# Allegro board visualscope2.0.brd
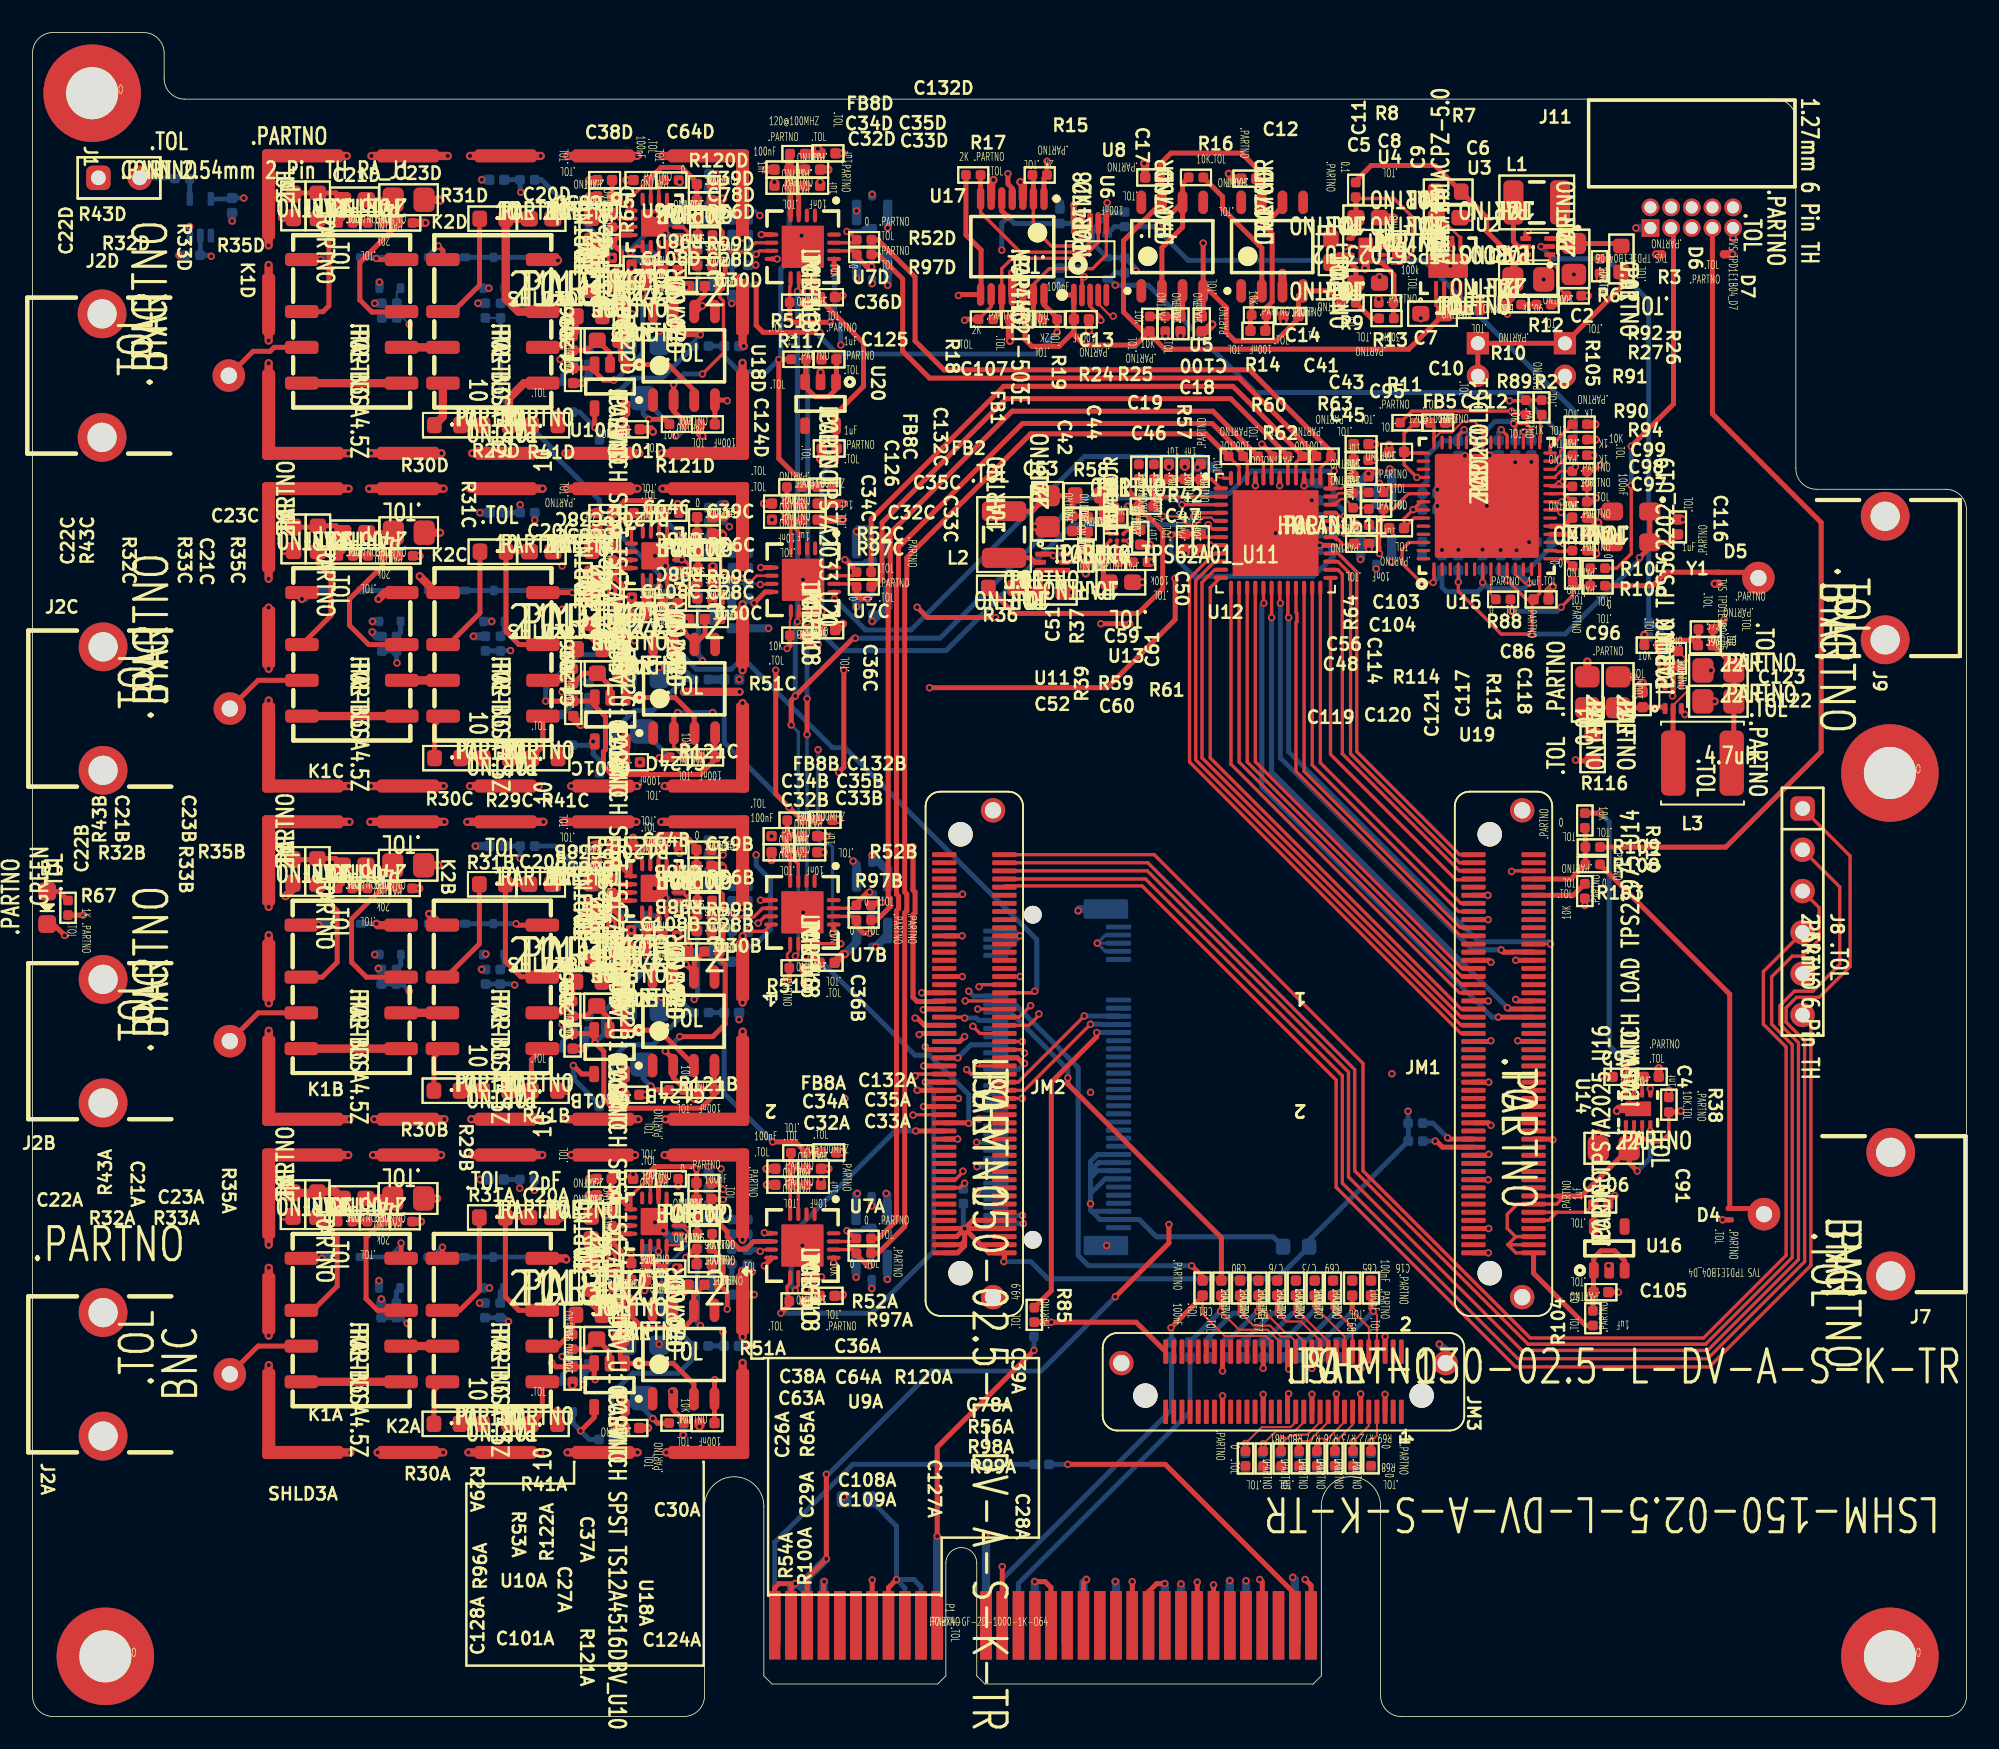
[diagram p0: board, top side]
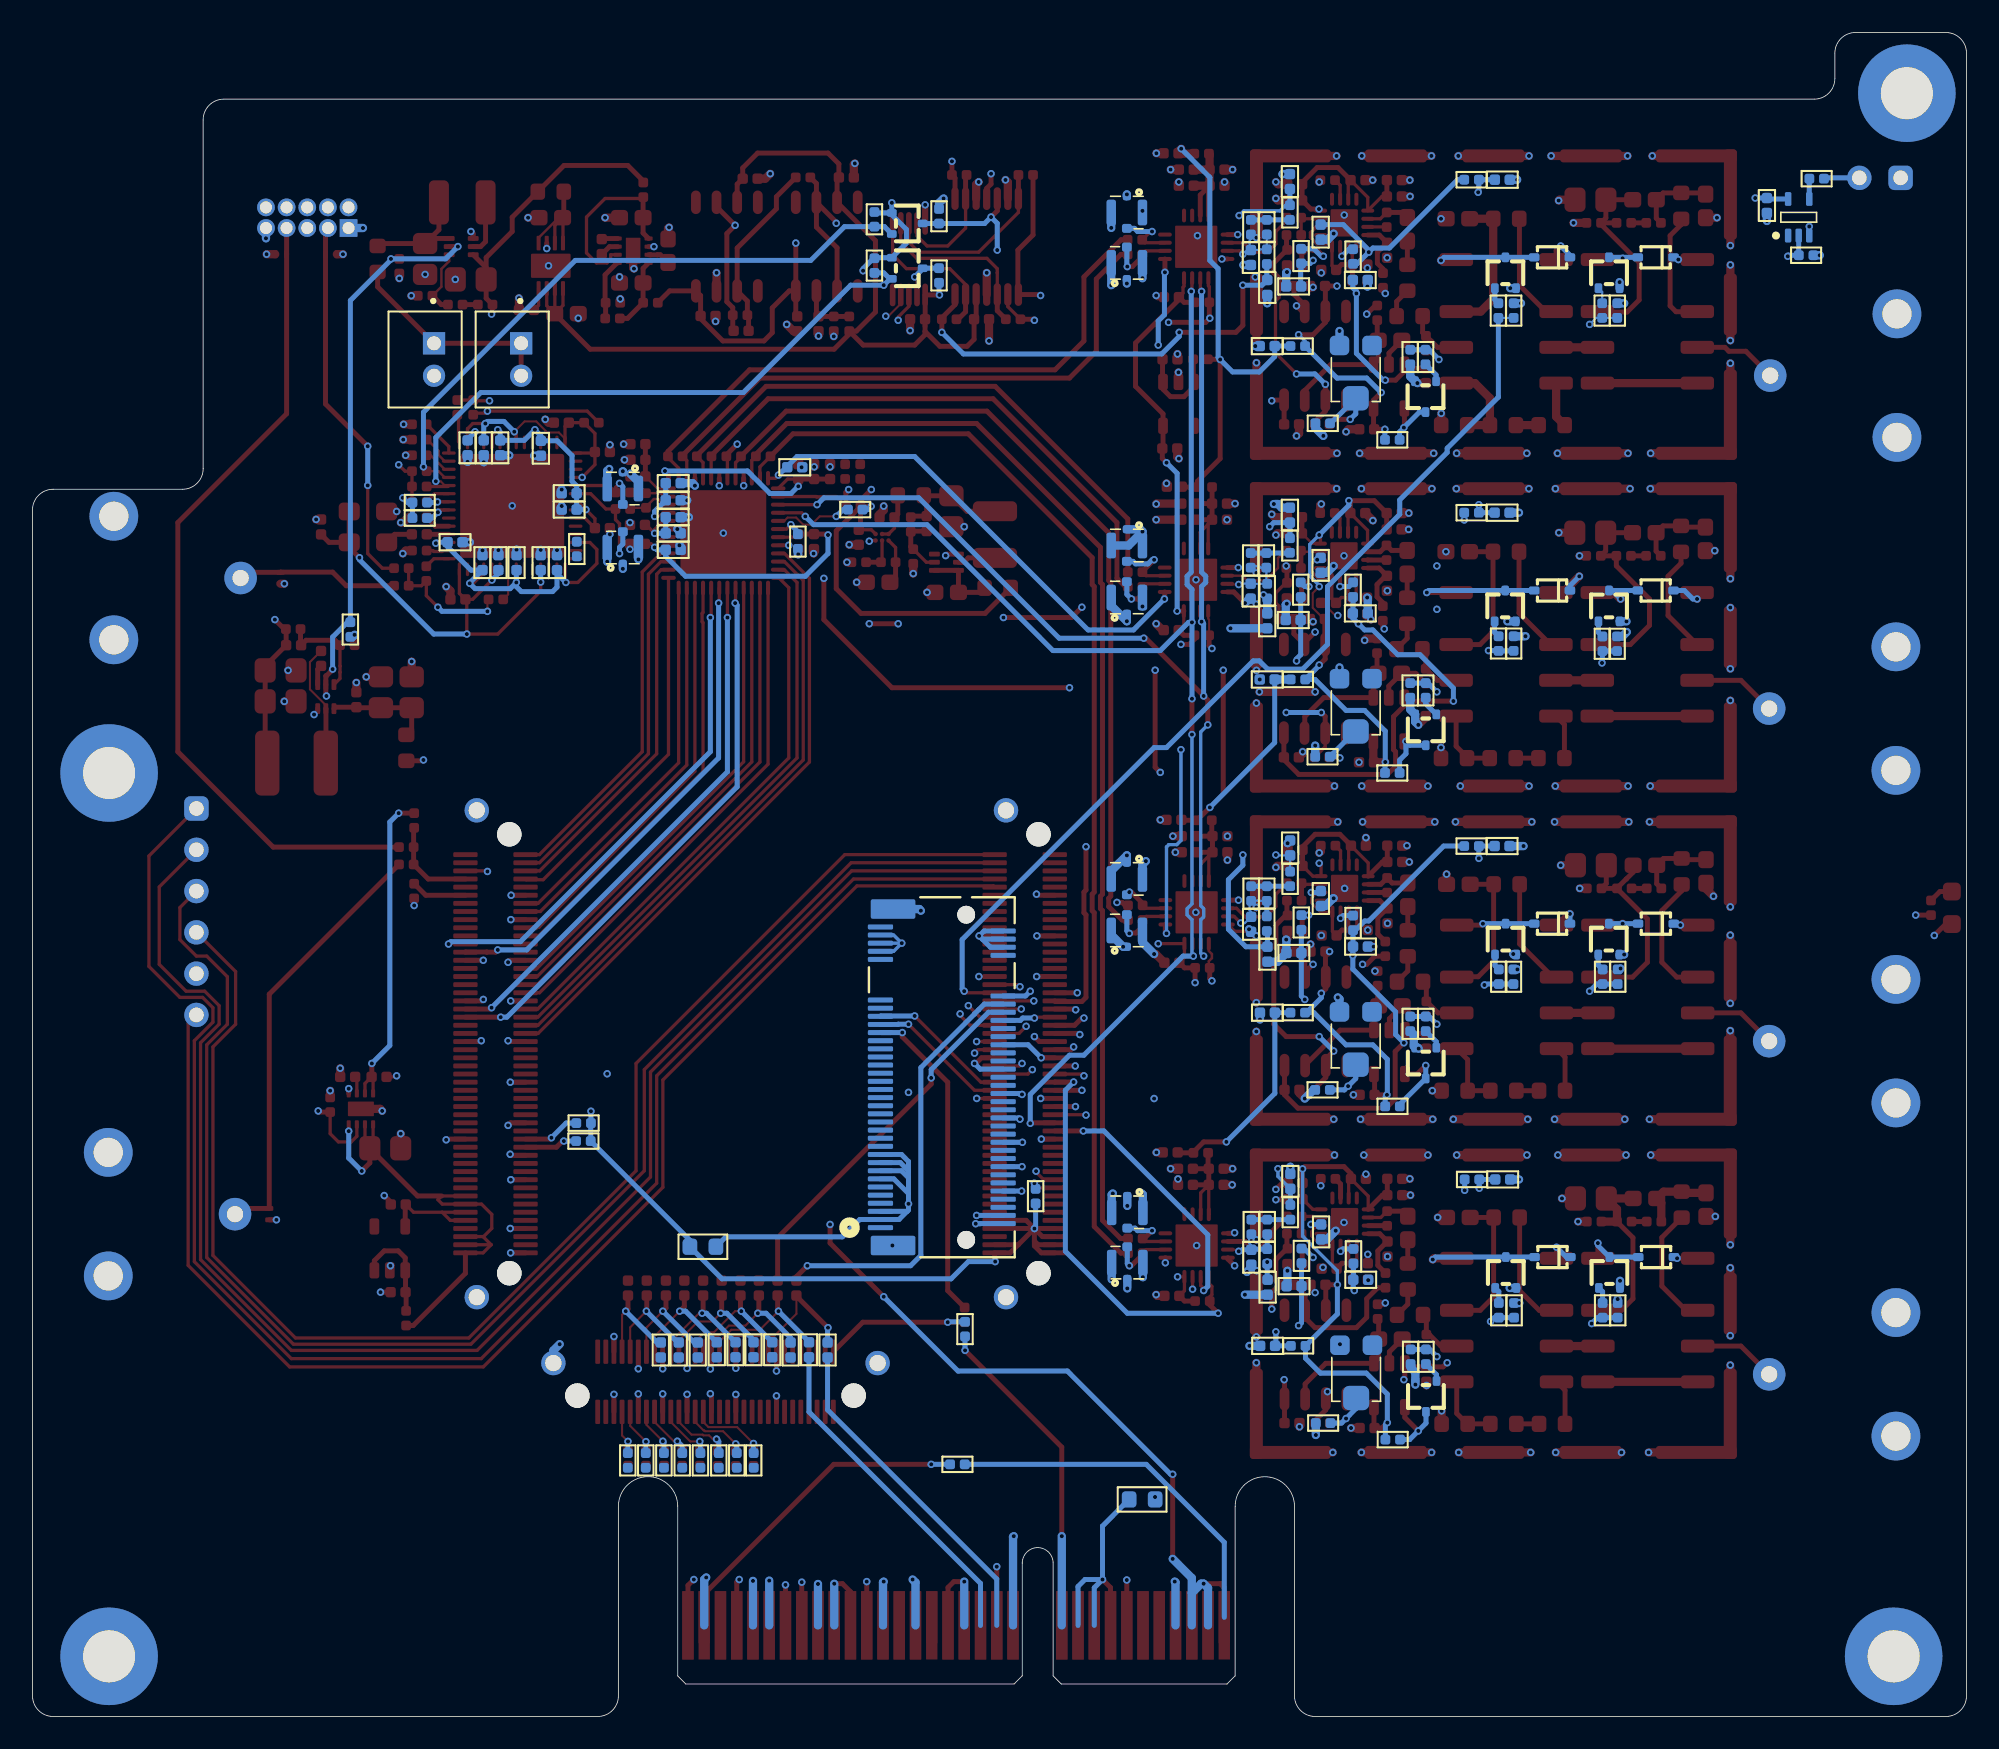
[diagram p1: board, bottom side, seen from below]

Outline 119 x 103.6 mm; copper layers: TOP, GND2, PWR3, PWR4, GND5, BOTTOM. Coordinates in mm from the lower left corner of the outline.
Outline path: 0,102.33 arc(0.37,103.23) 1.27,103.6 6.83,103.6 arc(7.73,103.23) 8.1,102.33 8.1,100.77 arc(8.47,99.87) 9.37,99.5 107.23,99.5 arc(108.13,99.13) 108.5,98.23 108.5,76.77 arc(108.87,75.87) 109.77,75.5 117.73,75.5 arc(118.63,75.13) 119,74.23 119,1.27 arc(118.63,0.37) 117.73,0 84.22,0 arc(83.32,0.37) 82.95,1.27 82.95,12.93 arc(81.14,14.75) 79.3,12.96 79.3,2.5 78.8,2 58.6,2 58.1,2.5 58.1,9.45 arc(57.15,10.4) 56.2,9.45 56.2,2.5 55.7,2 45.5,2 45,2.5 45,12.93 arc(43.17,14.75) 41.35,12.93 41.35,1.27 arc(40.98,0.37) 40.08,0 1.27,0 arc(0.37,0.37) 0,1.27 0,102.33

## Design rules (mm)
constraint set DEFAULT: min track width 0.127

## Placement (name value [footprint] x y rotation side)
C1  100nF  [GEN_C_0402]  12.28 92.96 270 bottom
C2  22uF  [GEN_C_0805]  94.84 89.67 90 top
C3  22uF  [GEN_C_0805]  92.04 88.41 180 top
C4  1nF  [GEN_C_0402]  99.61 39.35 180 top
C5  10uF  [GEN_C_0603]  82.16 88.19 180 top
C6  10uF  [GEN_C_0603]  87.11 92.21 180 top
C7  10uF  [GEN_C_0603]  86.14 86.3 0 top
C8  10uF  [GEN_C_0603]  82.16 92.21 180 top
C9  1uF  [GEN_C_0402]  83.97 90.43 90 top
C10  10nF  [GEN_C_0402]  88.61 86.53 180 top
C11  10uF  [GEN_C_0603]  79.9 90.18 270 top
C12  100nF  [GEN_C_0402]  74.84 94.61 180 top
C13  100nF  [GEN_C_0402]  64.54 85.96 180 top
C14  100nF  [GEN_C_0402]  77.43 86.16 0 top
C15  100nF  [GEN_C_0402]  79.24 22.55 90 bottom
C16  100nF  [GEN_C_0402]  82.36 26.36 270 top
C17  100nF  [GEN_C_0402]  68.92 94.68 180 top
C18  100nF  [GEN_C_0402]  71.95 85.68 90 top
C19  100nF  [GEN_C_0402]  70.64 85.68 90 top
C20A  2pF  [GEN_C_0603]  31.27 30.7 0 top
C20B  2pF  [GEN_C_0603]  31.27 51.2 0 top
C20C  2pF  [GEN_C_0603]  31.31 71.66 0 top
C20D  2pF  [GEN_C_0603]  31.29 92.14 0 top
C21A  5.1pF  [GEN_C_0603]  19.79 31.87 180 top
C21B  5.1pF  [GEN_C_0603]  19.79 52.37 180 top
C21C  5.1pF  [GEN_C_0603]  19.82 72.83 180 top
C21D  5.1pF  [GEN_C_0603]  19.81 93.31 180 top
C22A  2pF  [GEN_C_0603]  16.03 31.49 90 top
C22B  2pF  [GEN_C_0603]  16.03 51.99 90 top
C22C  2pF  [GEN_C_0603]  16.07 72.45 90 top
C22D  2pF  [GEN_C_0603]  16.05 92.93 90 top
C23A  240pF  [GEN_C_0805]  23.11 31.87 180 top
C23B  240pF  [GEN_C_0805]  23.11 52.37 180 top
C23C  240pF  [GEN_C_0805]  23.15 72.83 180 top
C23D  240pF  [GEN_C_0805]  23.14 93.31 180 top
C26A  22nF  [GEN_C_0603]  34.38 30.05 270 top
C26B  22nF  [GEN_C_0603]  34.38 50.55 270 top
C26C  22nF  [GEN_C_0603]  34.42 71.01 270 top
C26D  22nF  [GEN_C_0603]  34.4 91.5 270 top
C27A  22nF  [GEN_C_0603]  35.45 23.22 0 top
C27B  22nF  [GEN_C_0603]  35.45 43.72 0 top
C27C  22nF  [GEN_C_0603]  35.48 64.18 0 top
C27D  22nF  [GEN_C_0603]  35.47 84.66 0 top
C28A  100nF  [GEN_C_0402]  41.33 27.83 0 top
C28B  100nF  [GEN_C_0402]  41.33 48.33 0 top
C28C  100nF  [GEN_C_0402]  41.36 68.79 0 top
C28D  100nF  [GEN_C_0402]  41.35 89.27 0 top
C29A  100pF  [GEN_C_0402]  35.62 28.76 90 top
C29B  100pF  [GEN_C_0402]  35.62 49.26 90 top
C29C  100pF  [GEN_C_0402]  35.66 69.72 90 top
C29D  100pF  [GEN_C_0402]  35.65 90.2 90 top
C30A  100pF  [GEN_C_0402]  41.81 26.56 0 top
C30B  100pF  [GEN_C_0402]  41.81 47.06 0 top
C30C  100pF  [GEN_C_0402]  41.85 67.52 0 top
C30D  100pF  [GEN_C_0402]  41.83 88 0 top
C31A  100nF  [GEN_C_0402]  44.01 28.25 270 bottom
C31B  100nF  [GEN_C_0402]  44.02 48.74 270 bottom
C31C  100nF  [GEN_C_0402]  44.04 69.23 270 bottom
C31D  100nF  [GEN_C_0402]  44.03 89.76 270 bottom
C32A  1nF  [GEN_C_0402]  46.16 32.71 0 top
C32B  1nF  [GEN_C_0402]  45.94 53.17 0 top
C32C  1nF  [GEN_C_0402]  45.96 73.63 0 top
C32D  1nF  [GEN_C_0402]  46.11 94.18 0 top
C33A  10nF  [GEN_C_0402]  48.06 32.71 180 top
C33B  10nF  [GEN_C_0402]  47.83 53.17 180 top
C33C  10nF  [GEN_C_0402]  47.85 73.63 180 top
C33D  10nF  [GEN_C_0402]  48.01 94.18 180 top
C34A  100nF  [GEN_C_0402]  46.16 33.7 0 top
C34B  100nF  [GEN_C_0402]  45.94 54.16 0 top
C34C  100nF  [GEN_C_0402]  45.96 74.62 0 top
C34D  100nF  [GEN_C_0402]  46.11 95.17 0 top
C35A  1uF  [GEN_C_0402]  48.06 33.7 180 top
C35B  1uF  [GEN_C_0402]  47.83 54.16 180 top
C35C  1uF  [GEN_C_0402]  47.85 74.62 180 top
C35D  1uF  [GEN_C_0402]  48.01 95.17 180 top
C36A  100nF  [GEN_C_0402]  48.89 25.88 180 top
C36B  100nF  [GEN_C_0402]  48.89 46.37 180 top
C36C  100nF  [GEN_C_0402]  48.93 66.83 180 top
C36D  100nF  [GEN_C_0402]  48.92 87.32 180 top
C37A  100nF  [GEN_C_0402]  39.9 26.56 180 top
C37B  100nF  [GEN_C_0402]  39.9 47.06 180 top
C37C  100nF  [GEN_C_0402]  39.94 67.52 180 top
C37D  100nF  [GEN_C_0402]  39.93 88 180 top
C38A  2.2uF  [GEN_C_0402]  35.18 33.08 180 top
C38B  2.2uF  [GEN_C_0402]  35.18 53.57 180 top
C38C  2.2uF  [GEN_C_0402]  35.22 74.03 180 top
C38D  2.2uF  [GEN_C_0402]  35.2 94.52 180 top
C39A  100nF  [GEN_C_0402]  41.31 32.82 0 top
C39B  100nF  [GEN_C_0402]  41.31 53.32 0 top
C39C  100nF  [GEN_C_0402]  41.35 73.78 0 top
C39D  100nF  [GEN_C_0402]  41.34 94.27 0 top
C40  100nF  [GEN_C_0402]  71.22 22.56 90 bottom
C41  1uF  [GEN_C_0402]  81.75 78.28 180 top
C42  1uF  [GEN_C_0402]  69.93 76.59 270 top
C43  10nF  [GEN_C_0402]  81.75 77.31 180 top
C44  10nF  [GEN_C_0402]  70.9 76.59 270 top
C45  1nF  [GEN_C_0402]  81.75 76.29 180 top
C46  1nF  [GEN_C_0402]  71.88 76.59 270 top
C47  10nF  [GEN_C_0402]  71.88 72.28 90 top
C48  10nF  [GEN_C_0402]  81.78 72.14 180 top
C49  1uF  [GEN_C_0402]  79.58 71.77 0 bottom
C50  1uF  [GEN_C_0402]  70.92 72.28 90 top
C51  39pF  [GEN_C_0402]  63.98 73.39 90 top
C52  10uF  [GEN_C_0603]  62.75 69.16 180 top
C53  22uF  [GEN_C_0805]  62.46 74.15 90 top
C54  1uF  [GEN_C_0402]  79.58 73.78 0 bottom
C55  10nF  [GEN_C_0402]  79.58 72.79 0 bottom
C56  1nF  [GEN_C_0402]  81.78 73.31 180 top
C57  10nF  [GEN_C_0402]  79.58 74.82 0 bottom
C58  1uF  [GEN_C_0402]  79.58 75.88 0 bottom
C59  100nF  [GEN_C_0402]  66.42 73.77 180 top
C60  10uF  [GEN_C_0603]  66.97 69.78 180 top
C61  2.2uF  [GEN_C_0402]  68.16 72.55 90 top
C62  100nF  [GEN_C_0402]  80.34 22.55 90 bottom
C63A  100nF  [GEN_C_0402]  35.18 32.07 180 top
C63B  100nF  [GEN_C_0402]  35.18 52.57 180 top
C63C  100nF  [GEN_C_0402]  35.22 73.03 180 top
C63D  100nF  [GEN_C_0402]  35.2 93.52 180 top
C64A  100nF  [GEN_C_0402]  37.41 33.08 0 top
C64B  100nF  [GEN_C_0402]  37.41 53.57 0 top
C64C  100nF  [GEN_C_0402]  37.45 74.03 0 top
C64D  100nF  [GEN_C_0402]  37.44 94.52 0 top
C65  100nF  [GEN_C_0402]  81.2 26.36 270 top
C66  100nF  [GEN_C_0402]  78.07 22.55 90 bottom
C67  100nF  [GEN_C_0402]  76.9 22.56 90 bottom
C68  100nF  [GEN_C_0402]  80.02 26.36 270 top
C69  100nF  [GEN_C_0402]  78.89 26.36 270 top
C70  100nF  [GEN_C_0402]  75.74 22.56 90 bottom
C71  100nF  [GEN_C_0402]  74.64 22.56 90 bottom
C72  100nF  [GEN_C_0402]  77.74 26.36 270 top
C73  100nF  [GEN_C_0402]  76.59 26.36 270 top
C74  100nF  [GEN_C_0402]  73.48 22.56 90 bottom
C75  100nF  [GEN_C_0402]  72.35 22.55 90 bottom
C76  100nF  [GEN_C_0402]  75.44 26.36 270 top
C77  100nF  [GEN_C_0402]  74.31 26.36 270 top
C78A  100nF  [GEN_C_0402]  41.31 31.83 180 top
C78B  100nF  [GEN_C_0402]  41.31 52.33 180 top
C78C  100nF  [GEN_C_0402]  41.35 72.79 180 top
C78D  100nF  [GEN_C_0402]  41.34 93.27 180 top
C79  100nF  [GEN_C_0402]  70.08 22.55 90 bottom
C80  100nF  [GEN_C_0402]  73.15 26.36 270 top
C81  100nF  [GEN_C_0402]  72 26.36 270 top
C82  1uF  [GEN_C_0402]  85.98 75.25 0 bottom
C83  1uF  [GEN_C_0402]  87.72 78.02 270 bottom
C84  1uF  [GEN_C_0402]  90.22 78.05 270 bottom
C85  1uF  [GEN_C_0402]  92.23 78.05 270 bottom
C86  1uF  [GEN_C_0402]  92.82 68.73 0 top
C87  1uF  [GEN_C_0402]  90.33 70.99 90 bottom
C88  1uF  [GEN_C_0402]  91.23 78.05 270 bottom
C89  1uF  [GEN_C_0402]  87.73 70.99 90 bottom
C90  1uF  [GEN_C_0402]  86.73 70.99 90 bottom
C91  22uF  [GEN_C_0805]  97.29 34.96 0 top
C92  1uF  [GEN_C_0402]  97.68 39.35 0 top
C93  1uF  [GEN_C_0402]  91.31 70.99 90 bottom
C94  1uF  [GEN_C_0402]  93 72.24 180 bottom
C95  1uF  [GEN_C_0402]  83.93 77.79 180 top
C96  0  [GEN_R_0402]  94.77 70.31 270 top
C97  0  [GEN_R_0402]  95.2 71.73 0 top
C98  100nF  [GEN_C_0402]  95.2 72.73 0 top
C99  100nF  [GEN_C_0402]  95.2 73.75 0 top
C100  100nF  [GEN_C_0402]  75.4 85.25 180 top
C101A  100nF  [GEN_C_0402]  36.88 17.75 180 top
C101B  100nF  [GEN_C_0402]  36.88 38.25 180 top
C101C  100nF  [GEN_C_0402]  36.92 58.71 180 top
C101D  100nF  [GEN_C_0402]  36.91 79.19 180 top
C102A  2.2uF  [GEN_C_0402]  37.27 26.87 0 bottom
C102B  2.2uF  [GEN_C_0402]  37.29 47.36 0 bottom
C102C  2.2uF  [GEN_C_0402]  37.3 67.86 0 bottom
C102D  2.2uF  [GEN_C_0402]  37.3 88.37 0 bottom
C103  0  [GEN_R_0402]  82.68 75.3 0 top
C104  0  [GEN_R_0402]  82.68 74.29 0 top
C105  1uF  [GEN_C_0402]  96.51 26.1 180 top
C106  1uF  [GEN_C_0402]  96.49 31.5 180 top
C107  100nF  [GEN_C_0402]  60.6 85.96 0 top
C108A  100nF  [GEN_C_0402]  37.3 27.88 0 top
C108B  100nF  [GEN_C_0402]  37.3 48.38 0 top
C108C  100nF  [GEN_C_0402]  37.34 68.84 0 top
C108D  100nF  [GEN_C_0402]  37.33 89.32 0 top
C109A  100nF  [GEN_C_0402]  37.3 26.87 180 top
C109B  100nF  [GEN_C_0402]  37.3 47.36 180 top
C109C  100nF  [GEN_C_0402]  37.34 67.82 180 top
C109D  100nF  [GEN_C_0402]  37.33 88.31 180 top
C110A  100nF  [GEN_C_0402]  39.71 29.81 270 bottom
C110B  100nF  [GEN_C_0402]  39.73 50.32 270 bottom
C110C  100nF  [GEN_C_0402]  39.74 70.82 270 bottom
C110D  100nF  [GEN_C_0402]  39.74 91.32 270 bottom
C111A  2.2uF  [GEN_C_0402]  43 22.8 180 bottom
C111B  2.2uF  [GEN_C_0402]  43.01 43.3 180 bottom
C111C  2.2uF  [GEN_C_0402]  43.03 63.8 180 bottom
C111D  2.2uF  [GEN_C_0402]  43.03 84.31 180 bottom
C112  1uF  [GEN_C_0402]  86.46 79.6 0 top
C113  1uF  [GEN_C_0402]  89.22 70.99 90 bottom
C114  1uF  [GEN_C_0402]  83.93 73.11 180 top
C115  1uF  [GEN_C_0402]  85.98 74.25 0 bottom
C116  1uF  [GEN_C_0402]  101.24 73.18 90 top
C117  100nF  [GEN_C_0402]  101.24 65.09 270 top
C118  39pF  [GEN_C_0402]  102.93 65.91 0 top
C119  22uF  [GEN_C_0805]  95.67 63.01 270 top
C120  22uF  [GEN_C_0805]  97.56 63.01 270 top
C121  100nF  [GEN_C_0402]  99.07 62.55 90 top
C122  22uF  [GEN_C_0805]  103.73 62.45 0 top
C123  22uF  [GEN_C_0805]  103.73 64.36 0 top
C124A  100nF  [GEN_C_0402]  41.5 18.05 180 top
C124B  100nF  [GEN_C_0402]  41.5 38.55 180 top
C124C  100nF  [GEN_C_0402]  41.54 59.01 180 top
C124D  100nF  [GEN_C_0402]  41.53 79.5 180 top
C125  1uF  [GEN_C_0402]  49.01 83.5 0 top
C126  1uF  [GEN_C_0402]  49.02 78.01 0 top
C127A  100nF  [GEN_C_0402]  39.22 27.55 180 top
C127B  100nF  [GEN_C_0402]  39.22 48.05 180 top
C127C  100nF  [GEN_C_0402]  39.26 68.51 180 top
C127D  100nF  [GEN_C_0402]  39.24 88.99 180 top
C128A  100nF  [GEN_C_0402]  33.24 21.05 90 top
C128B  100nF  [GEN_C_0402]  33.24 41.55 90 top
C128C  100nF  [GEN_C_0402]  33.27 62.01 90 top
C128D  100nF  [GEN_C_0402]  33.26 82.49 90 top
C129A  100nF  [GEN_C_0402]  41.38 26.47 0 bottom
C129B  100nF  [GEN_C_0402]  41.39 46.97 0 bottom
C129C  100nF  [GEN_C_0402]  41.43 67.46 0 bottom
C129D  100nF  [GEN_C_0402]  41.4 87.98 0 bottom
C130A  100nF  [GEN_C_0402]  41.6 32.92 90 bottom
C130B  100nF  [GEN_C_0402]  41.62 53.43 90 bottom
C130C  100nF  [GEN_C_0402]  41.63 73.91 90 bottom
C130D  100nF  [GEN_C_0402]  41.63 94.43 90 bottom
C131A  100nF  [GEN_C_0402]  43 26.41 270 bottom
C131B  100nF  [GEN_C_0402]  43.01 46.89 270 bottom
C131C  100nF  [GEN_C_0402]  43.03 67.4 270 bottom
C131D  100nF  [GEN_C_0402]  43.03 87.92 270 bottom
C132A  1uF  [GEN_C_0402]  49 34.7 180 top
C132B  1uF  [GEN_C_0402]  48.77 55.16 180 top
C132C  1uF  [GEN_C_0402]  48.74 75.66 180 top
C132D  1uF  [GEN_C_0402]  48.95 96.17 180 top
C133A  2.2uF  [GEN_C_0402]  28.54 33.04 180 bottom
C133B  2.2uF  [GEN_C_0402]  28.57 53.55 180 bottom
C133C  2.2uF  [GEN_C_0402]  28.57 74.06 180 bottom
C133D  2.2uF  [GEN_C_0402]  28.56 94.54 180 bottom
C134  100nF  [GEN_C_0402]  72.1 76.85 0 bottom
D1  GREEN  [LED_0603_LTST-S270K]  0.9 49.75 90 top
D2A  1N4148  [GEN_SOD_323]  19.1 28.26 0 bottom
D2B  1N4148  [GEN_SOD_323]  19.11 48.77 0 bottom
D2C  1N4148  [GEN_SOD_323]  19.13 69.27 0 bottom
D2D  1N4148  [GEN_SOD_323]  19.13 89.77 0 bottom
D3A  1N4148  [GEN_SOD_323]  25.48 28.26 0 bottom
D3B  1N4148  [GEN_SOD_323]  25.5 48.77 0 bottom
D3C  1N4148  [GEN_SOD_323]  25.5 69.27 0 bottom
D3D  1N4148  [GEN_SOD_323]  25.5 89.77 0 bottom
D4  TVS TPD1E1B04_D4  [TI_X1SON_DPY0002A]  104.43 30.9 270 top
D5  TVS TPD1E1B04_D5  [TI_X1SON_DPY0002A]  103.73 70.04 270 top
D6  TVS TPD1E1B04_D6  [TI_X1SON_DPY0002A]  100.62 89.96 180 top
D7  TVS TPD1E1B04_D7  [TI_X1SON_DPY0002A]  103.72 89.96 0 top
FB1  120@100MHZ  [GEN_R_0402]  69 76.59 270 top
FB2  120@100MHZ  [GEN_R_0402]  68.07 76.59 270 top
FB3  120@100MHZ  [GEN_R_0402]  85.51 71.82 90 bottom
FB4A  0  [GEN_R_0402]  40.92 28.34 270 bottom
FB4B  0  [GEN_R_0402]  40.93 48.85 270 bottom
FB4C  0  [GEN_R_0402]  40.97 69.32 270 bottom
FB4D  0  [GEN_R_0402]  40.94 89.85 270 bottom
FB5  120@100MHZ  [GEN_R_0402]  84.61 79.6 0 top
FB6A  0  [GEN_R_0402]  41.6 31.02 270 bottom
FB6B  0  [GEN_R_0402]  41.62 51.53 270 bottom
FB6C  0  [GEN_R_0402]  41.63 72.04 270 bottom
FB6D  0  [GEN_R_0402]  41.63 92.53 270 bottom
FB7A  120@100MHZ  [GEN_R_0402]  43.03 28.3 90 bottom
FB7B  120@100MHZ  [GEN_R_0402]  43.05 48.77 90 bottom
FB7C  120@100MHZ  [GEN_R_0402]  43.03 69.23 90 bottom
FB7D  120@100MHZ  [GEN_R_0402]  43.05 89.81 90 bottom
FB8A  120@100MHZ  [GEN_R_0402]  47.12 34.68 0 top
FB8B  120@100MHZ  [GEN_R_0402]  46.89 55.14 0 top
FB8C  120@100MHZ  [GEN_R_0402]  46.87 75.63 0 top
FB8D  120@100MHZ  [GEN_R_0402]  47.07 96.14 0 top
FB9A  120@100MHZ  [GEN_R_0402]  41.12 22.8 180 bottom
FB9B  120@100MHZ  [GEN_R_0402]  41.15 43.3 180 bottom
FB9C  120@100MHZ  [GEN_R_0402]  41.14 63.8 180 bottom
FB9D  120@100MHZ  [GEN_R_0402]  41.15 84.31 180 bottom
FB10A  120@100MHZ  [GEN_R_0402]  30.43 33.04 0 bottom
FB10B  120@100MHZ  [GEN_R_0402]  30.45 53.55 0 bottom
FB10C  120@100MHZ  [GEN_R_0402]  30.45 74.06 0 bottom
FB10D  120@100MHZ  [GEN_R_0402]  30.45 94.54 0 bottom
J1  CONN 2.54mm 2 Pin TH RA_J1  [GEN_2_54MM_1X2_PIN_TH_RA]  5.32 94.66 0 top
J2A  BNC  [MOL_0731000105]  8.24 21.05 90 top
J2B  BNC  [MOL_0731000105]  8.24 41.55 90 top
J2C  BNC  [MOL_0731000105]  8.24 62.01 90 top
J2D  BNC  [MOL_0731000105]  8.18 82.49 90 top
J3A  UFL  [TE_2334884-1]  51.64 27.92 0 bottom
J3B  UFL  [TE_2334884-1]  51.66 48.35 0 bottom
J3C  UFL  [TE_2334884-1]  51.66 68.84 0 bottom
J3D  UFL  [TE_2334884-1]  51.66 89.43 0 bottom
J4A  UFL  [TE_2334884-1]  51.64 31.02 180 bottom
J4B  UFL  [TE_2334884-1]  51.66 51.53 180 bottom
J4C  UFL  [TE_2334884-1]  51.66 72.04 180 bottom
J4D  UFL  [TE_2334884-1]  51.66 92.53 180 bottom
J5  UFL  [TE_2334884-1]  82.68 71.91 0 bottom
J6  UFL  [TE_2334884-1]  82.68 75.55 180 bottom
J7  BNC  [MOL_0731000105]  110.44 30.9 270 top
J8  2.54mm 6 Pin TH  [GEN_2_54MM_6_PIN_TH_RA]  108.91 49.51 270 top
J9  BNC  [MOL_0731000105]  110.1 70.04 270 top
J10  CONN M.2 Key M FEMALE  [TE_M2_KEYM_2199230]  63.05 39.33 90 bottom
J11  1.27mm 6 Pin TH  [GEN_1_27MM_2X5_PIN_TH_RA]  102.1 92.21 0 top
J12  B2B-PH-K-S(LF)(SN)  [JST_B2B-PH-K-S_LF_SN]  89.48 83.48 90 bottom
J13  B2B-PH-K-S(LF)(SN)  [JST_B2B-PH-K-S_LF_SN]  94.84 83.48 90 bottom
JM1  LSHM-150-02.5-L-DV-A-S-K-TR  [SAM_LSHM-150-XX_X-XX-DV-A-S]  90.51 40.77 270 top
JM2  LSHM-150-02.5-L-DV-A-S-K-TR  [SAM_LSHM-150-XX_X-XX-DV-A-S]  57.95 40.77 270 top
JM3  LSHM-130-02.5-L-DV-A-S-K-TR  [SAM_LSHM-130-XX_X-XX-DV-A-S]  76.97 20.59 0 top
K1A  FTR-B3SA4.5Z  [FUJ_FTR-B3SA]  19.61 24.39 270 top
K1B  FTR-B3SA4.5Z  [FUJ_FTR-B3SA]  19.61 44.89 270 top
K1C  FTR-B3SA4.5Z  [FUJ_FTR-B3SA]  19.65 65.35 270 top
K1D  FTR-B3SA4.5Z  [FUJ_FTR-B3SA]  19.64 85.83 270 top
K2A  FTR-B3SA4.5Z  [FUJ_FTR-B3SA]  28.3 24.39 270 top
K2B  FTR-B3SA4.5Z  [FUJ_FTR-B3SA]  28.3 44.89 270 top
K2C  FTR-B3SA4.5Z  [FUJ_FTR-B3SA]  28.33 65.35 270 top
K2D  FTR-B3SA4.5Z  [FUJ_FTR-B3SA]  28.32 85.83 270 top
L1  1uH  [GEN_L_1210]  92.56 93.15 180 top
L2  1uH  [GEN_L_1210]  59.78 72.71 90 top
L3  4.7uH  [TY_IND_NRS5030]  102.76 58.65 0 top
MH1  M3  [MH_M3]  114.29 58.04 0 top
MH2  M3  [MH_M3]  4.48 3.7 0 top
MH3  M3  [MH_M3]  114.29 3.7 0 top
MH4  M3  [MH_M3]  3.67 99.87 0 top
P1  PCIeX4-GF-2D-1000-1K-O64  [PCIEX4-GF-2D-1000-1K-O64]  55.17 5.61 0 top
Q1  DMN62D0UW  [GEN_SOT_323]  65.18 91.85 270 bottom
Q2  DMN62D0UW  [GEN_SOT_323]  65.18 89.1 270 bottom
Q3A  DMN62D0UW  [GEN_SOT_323]  21.97 27.31 180 bottom
Q3B  DMN62D0UW  [GEN_SOT_323]  22.01 47.82 180 bottom
Q3C  DMN62D0UW  [GEN_SOT_323]  22 68.32 180 bottom
Q3D  DMN62D0UW  [GEN_SOT_323]  22 88.82 180 bottom
Q4A  DMN62D0UW  [GEN_SOT_323]  28.35 27.31 180 bottom
Q4B  DMN62D0UW  [GEN_SOT_323]  28.36 47.82 180 bottom
Q4C  DMN62D0UW  [GEN_SOT_323]  28.38 68.32 180 bottom
Q4D  DMN62D0UW  [GEN_SOT_323]  28.37 88.82 180 bottom
Q5A  DMN62D0UW  [GEN_SOT_323]  33.26 19.69 0 bottom
Q5B  DMN62D0UW  [GEN_SOT_323]  33.27 40.2 0 bottom
Q5C  DMN62D0UW  [GEN_SOT_323]  33.27 60.7 0 bottom
Q5D  DMN62D0UW  [GEN_SOT_323]  33.29 81.2 0 bottom
R1  0  [GEN_R_0402]  9.22 94.61 0 bottom
R2  10K  [GEN_R_0402]  9.87 89.9 0 bottom
R3  0.01  [GEN_R_0603]  97.76 89.67 270 top
R6  10K  [GEN_R_0402]  96.43 89.22 270 top
R7  0.01  [GEN_R_0603]  87.11 93.81 180 top
R8  0.1  [GEN_R_0402]  81.42 93.92 270 top
R9  0.1  [GEN_R_0402]  80.97 86.98 180 top
R10  680K  [GEN_R_0402]  91.15 86.86 180 top
R11  300K  [GEN_R_0402]  83.31 86.01 180 top
R12  90.9k  [GEN_R_0402]  92.99 86.86 180 top
R13  100k  [GEN_R_0402]  83.29 86.98 0 top
R14  10K  [GEN_R_0402]  75.46 86.21 0 top
R15  2K  [GEN_R_0402]  61.98 94.84 180 top
R16  10K  [GEN_R_0402]  71.59 94.68 0 top
R17  2K  [GEN_R_0402]  57.89 94.84 0 top
R18  2K  [GEN_R_0402]  58.66 85.96 0 top
R19  2K  [GEN_R_0402]  62.6 85.96 180 top
R20  10K  [GEN_R_0402]  67.2 92.11 90 bottom
R21  10K  [GEN_R_0402]  67.2 89.26 90 bottom
R22  10K  [GEN_R_0402]  63.22 92.3 90 bottom
R23  10K  [GEN_R_0402]  63.22 88.65 270 bottom
R24  10K  [GEN_R_0402]  68.74 85.68 270 top
R25  10K  [GEN_R_0402]  69.7 85.68 90 top
R26  1K  [GEN_R_0402]  95.2 77.59 180 top
R27  1K  [GEN_R_0402]  95.2 78.56 180 top
R28  1K  [GEN_R_0402]  92.86 80.54 90 top
R29A  30  [GEN_R_0603]  28.5 18 0 top
R29B  30  [GEN_R_0603]  28.5 38.5 0 top
R29C  30  [GEN_R_0603]  28.54 58.96 0 top
R29D  30  [GEN_R_0603]  28.52 79.44 0 top